# KiCad board latentpink.kicad_pcb (continued)
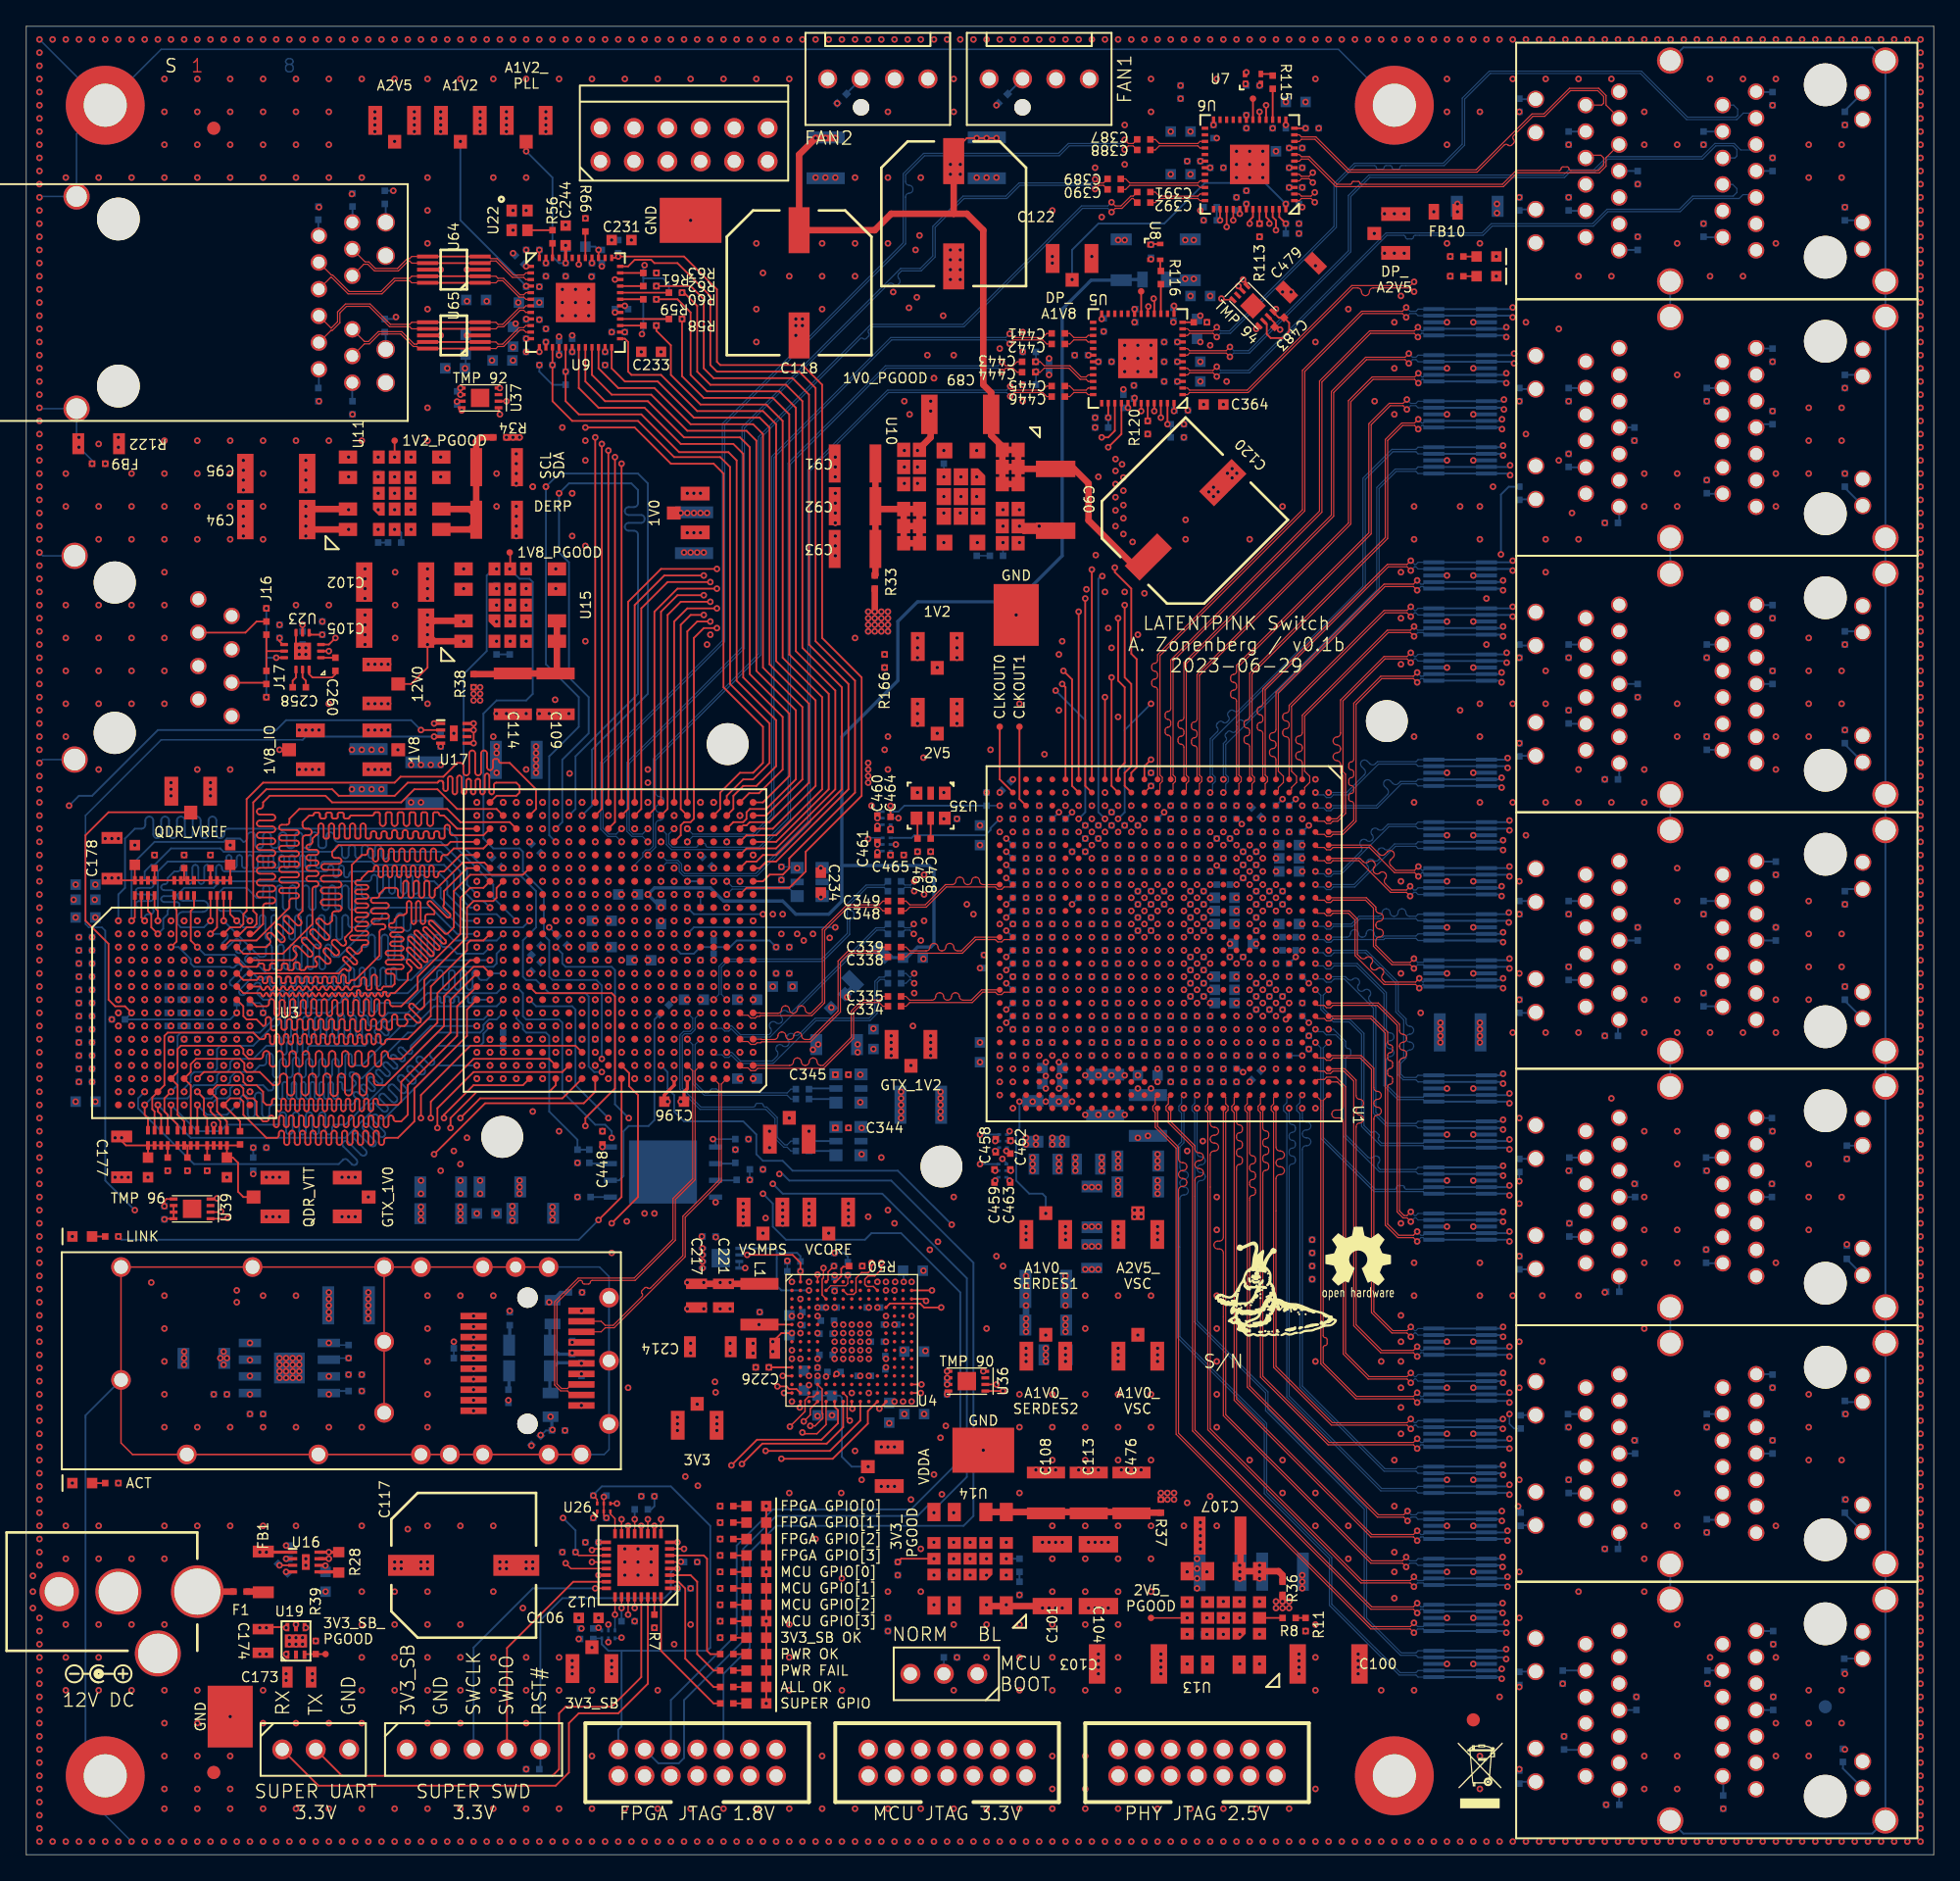
[diagram p0: board, top side]
## Routing (per net, layer and track width the routed paths; a pad name or vN(x,y) marks a point on that pad's centre or on a via; arc(x,y) is an arc through that point) (continued)
  In4.Cu w0.14: 88.25,121.25 90,123 92.25,123 ; 92.25,123 v1(92.25,124.75) ; 92.25,123 v1(93.75,123) ; v1(39.25,59) 39.25,57.75 42.2,54.8 ; 42.2,54.8 41.9,54.5 v1(41.9,52.6) ; 42.2,54.8 43.2,53.8 ; 68.75,89 72.5,89 78.5,95 78.5,103.5 81.25,106.25 v1(81.25,108.5) 81.75,109 81.75,110.75 81.9,110.9 ; 40.75,90 32.5,90 ; 32.5,90 31,90 29.75,88.75 ; 32.5,90 32.5,88.25 34,86.75 v1(34,86) v1(34,85.5) v1(34,84.5) ; 58,80 54.25,80 53.75,79.5 53.75,79.25 ; v1(87.75,134.5) 88.75,134.5 89.25,134 89.25,132 ; 38.47,109.28 38.47,111.11 35.7,113.88 35.7,123.7 v1(37,125) v1(38,125) 38.6,124.4 v1(42.5,124.4) 43,124.4 43,122.75 ; v1(80.75,114) 81.9,114 ; 43.2,53.8 46.5,50.5 46.5,30.7 v1(43.1,27.3) ; 43.2,53.8 v1(43.8,53.8) ; 17.4,59.6 19.5,57.5 31.75,57.5 33,58.75 33,60.25 33.25,60.5 34.75,60.5 ; 89.25,127.75 v1(89.25,128.75) 89.25,132 ; 89.25,127.75 v1(88.5,127.75) ; 89.25,127.75 v1(89.25,125) ; v1(92.25,124.75) 96,124.75 v1(96.75,124) ; v1(92.25,124.75) 89.5,124.75 v1(89.25,125) ; 43,122.75 v1(44.5,122.75) 45.25,123.5 52.75,123.5 53.72,124.47 77.72,124.47 78.68,123.5 85.57,123.5 86.53,124.47 88.72,124.47 v1(89.25,125) ; 43,122.75 v1(43,121) 43,120.5 43.75,119.75 44.25,119.75 ; 44.25,119.75 v1(44.75,119.75) ; 44.25,119.75 44.25,116.35 44.3,116.4 ; 44.3,116.4 46,116.4 v1(46.8,115.6) ; 44.3,116.4 44.15,116.4 43.5,115.75 43.5,115.25 43.25,115 ; 88,121.25 v1(84.25,117.5) 83.6,117.5 82.75,116.65 82.75,116.35 ; 89.25,132 89.25,132.25 89.75,132.75 92.25,132.75 v1(92.75,132.25) 92.69,132.31 v1(92.69,134.62) 92.75,134.69 v1(92.75,135.5) ; 71.3,58.95 71.3,67.5 69.8,69 61.3,69 ; v1(40.5,114) 40.5,114.8 ; v1(18.25,53.75) 18.5,53.75 19.5,54.75 ; v1(85.25,108) 83.75,109.5 v1(83.75,110)
  Bottom w0.115: U27.6 43.15,16.45 ; 73.91,53.75 v1(73.66,53.5) ; 73.9,51.49 v1(73.66,51.25) ; R40.1 v1(51.25,73) ; R41.1 v1(72.5,67.4)
  Bottom w0.14: 46.9,116.75 R67.1 46.9,115.7 v1(46.8,115.6) ; 46.9,116.75 R68.1 ; 46.9,116.75 R69.1 ; 45.25,15.5 44.25,15.5 43.75,16 U27.6 ; 45.25,15.5 51.75,15.5 52,15.75 52,25 49,28 43.75,28 43.1,27.35 ; 45.25,15.5 45.25,9.75 45,9.5 J9.2 ; U34.1 64.79,78.3 v1(64.7,78.21) ; v1(64.7,76.21) 64.79,76.3 U33.1 ; v1(43.8,53.8) 43.81,53.81 U28.8 ; R137.2 v1(89.25,125) ; R74.1 v1(52.25,70) ; C382.1 v1(92.25,124.75) ; R73.1 v1(44.5,122.75) ; U33.5 v1(66.1,76.8)
  vias: v1(5,68.75) v1(5,67.75) v1(5,66.75) v1(5,65.75) v1(5,64.75) v1(5,62.75) v1(5,61.75) v1(5,60.75) v1(5,59.75) v1(10,65) v1(10,63) v1(10,62) v1(14,66) v1(14,65) v1(14,63) v1(14,62)
/2V5: length 455.6
  Top w0.5: R36.1 v1(95.5,19.25)
  In4.Cu w0.115: v1(97.75,43.75) 98.25,43.75 98.75,44.25 98.75,46.75 ; v1(108,116.5) 108.8,117.3 v1(108.8,124.9) v1(108.8,125.5) ; 98.75,46.75 v1(97.75,46.75) ; 98.75,46.75 103.5,46.75 104.75,45.5 108,45.5 ; v1(73,80.75) v1(74,80.75) ; v1(73,80.75) 73,80.44 70.56,78 70,78 ; v1(73,80.75) 73,81.5 v1(69.25,85.25) ; 103,14.5 98.75,18.75 v1(96,18.75) ; 103,14.5 99,10.5 85.5,10.5 J3.2 ; 103,14.5 v1(108,14.5) ; 70,78 69.75,77.75 69.75,75.5 69.25,75 66.5,75 65.7,75.8 v1(65.7,76) ; 70,78 v1(65.7,78) ; v1(74.75,51.25) 75,51.25 75.25,51.5 75.25,53 74.75,53.5 v1(74.5,53.5) 74.65,53.5 75.5,54.35 75.5,54.56 77.69,56.75 78.75,56.75 79,57 79,58.54 79.6,59.15 79.6,60.85 78.5,61.96 78.5,71.81 79.5,72.81 v1(79.5,76.25) ; v1(95,62.75) 95.5,62.25 96.25,62.25 96.55,62.55 96.55,62.95 97,63.4 97,63.75
  In4.Cu w0.14: v1(93.5,76.25) v1(94,76.75) 94.5,76.75 ; v1(84.5,73.25) 83.75,73.25 83.5,73 83.5,71.5 83.75,71.25 v1(84.5,71.25) v1(85.5,71.25) ; v1(84.5,73.25) 84.5,77.75 ; v1(84.5,73.25) v1(85.5,73.25) v1(86.5,73.25) ; v1(82.5,78.25) 82.5,77.75 ; 82.5,77.75 84.5,77.75 ; 82.5,77.75 81.5,77.75 ; v1(108,14.5) v1(108,18) v1(108,21.5) v1(108,25) v1(108,32) v1(108,39) v1(108,47.75) v1(108,51.25) v1(108,54.75) 108,58 ; 96.56,71.31 96.56,69.44 96.75,69.25 97.25,69.25 97.5,69 97.5,67.25 96.56,66.31 96.56,65.19 v1(97,64.75) 97,63.75 97,63.5 ; 96.56,71.31 103.06,71.31 103.72,71.97 106.97,71.97 107.4,72.4 108,72.4 ; 96.56,71.31 96.56,74.19 v1(95,75.75) v1(95,76.75) 94.5,76.75 ; v1(81.5,78.25) 81.5,77.75 ; 81.5,77.75 v1(81.5,77.25) ; 81.5,77.75 79.5,77.75 ; 94.5,76.75 94.5,79 94.25,79.25 88.92,79.25 88.56,78.88 88.56,77.57 88.29,77.31 86.44,77.31 v1(86,77.75) 84.5,77.75 ; 108,58 108,62.5 ; 108,58 v1(108,58.25) ; v1(94,61.75) 94.5,61.75 ; 94.5,61.75 v1(95,61.75) v1(95,62.75) ; 94.5,61.75 94.44,61.69 94.44,58.69 93.75,58 90.99,58 87.24,54.25 85.75,54.25 84.75,53.25 v1(83,53.25) ; 108,72.4 108,62.5 ; 108,72.4 v1(108,77.5) v1(108,97.25) v1(108,106) v1(108,109.5) v1(108,113) v1(108,116.5) ; 84.5,77.75 v1(84.5,78.25) 84.5,81.25 v1(85.5,82.25) ; v1(107.5,63.25) 107.5,62.5 ; 107.5,62.5 108,62.5 ; 107.5,62.5 v1(107.5,61.75) ; v1(93.75,19.25) v1(96,19.25) v1(96,18.75) v1(95,18.75) v1(95,19.25) ; v1(97.5,62.25) 96.25,62.25 ; v1(74,80.75) v1(75,79.75) v1(76,78.75) v1(77,78.75) v1(77,77.75) 79.5,77.75 ; v1(108.8,125.5) 104.7,125.5 98,132.2 98,134.2 96.2,136 84,136 82.75,134.75 82.75,127 81.75,126 40.5,126 38.3,128.2 34.2,128.2 32.6,126.6 32.6,113.75 v1(33.35,113) ; v1(83,53.25) v1(83,50.25) ; v1(83,53.25) v1(83,52.25) ; 79.5,77.75 v1(79.5,76.25)
  Bottom w0.115: U32.6 74.55,53.55 v1(74.5,53.5) ; U31.6 v1(74.75,51.25)
  Bottom w0.14: U57.3 v1(108,35.5) ; U50.3 v1(108,74) ; U55.3 v1(108,70.5) ; v1(108,58.25) U41.3 ; v1(108,113) U43.3 ; U63.3 v1(108,90.25) ; v1(108,51.25) U45.3 ; U59.3 v1(108,93.75) ; U48.3 v1(108,25) ; FB6.1 33.4,113.05 ; v1(108,54.75) U42.3 ; v1(108,21.5) U49.3 ; v1(108,14.5) U52.3 ; U56.3 v1(108,39) ; U51.3 v1(108,77.5) ; v1(108,18) U53.3 ; U33.6 v1(65.7,76) ; U62.3 v1(108,82.25) ; U60.3 v1(108,28.5) ; U54.3 v1(108,67) ; v1(108,109.5) U47.3 ; U44.3 v1(108,47.75) ; U46.3 v1(108,106) ; U34.6 v1(65.7,78) ; U61.3 v1(108,32) ; v1(108,116.5) U40.3 ; U58.3 v1(108,97.25)
  vias: v1(78,77.75) v1(79,77.75) v1(80,77.75) v1(81,77.75) v1(82,77.75) v1(83,77.75) v1(83,52.75) v1(83,51.25) v1(83,50.75) v1(84,77.75) v1(85,77.75) v1(95.5,18.75) v1(107.5,62.75) v1(107.5,62.25)
/3V3: length 836.3
  Top w0.115: 94.79,117.29 v1(95,117.5) ; v1(33.1,109.8) U37.8
  Top w0.14: U37.7 32.76,110.5 v1(32.74,110.47) ; v1(70,35) 70.1,35.1 U36.8 ; v1(58.2,39.65) 57.4,39.65 v1(56.75,39) ; U23.5 v1(21,93.5) ; U38.8 95.21,116.85 C483.1 96,116.46 96,115.8 95.5,115.3 94.6,115.3 94.3,115.6 94.3,116.35 U38.6 ; v1(10.5,48.3) 10.55,48.35 U39.8 U39.6
  In3.Cu w0.09: v1(61.45,45.75) 61.78,45.42 61.78,44.38 v1(61.45,44.05) ; v1(57.4,75.1) 58.5,75.1 v1(58.6,75) 69.7,75 69.75,75.05 ; v1(61.5,59.3) 61.5,58.6 ; 61.5,58.6 62.9,58.6 63.4,59.1 v1(63.4,59.3) ; 61.5,58.6 61.5,56.5
  In3.Cu w0.1: 21.75,108.75 20,108.75 19.5,108.25 19.5,106.5
  In3.Cu w0.115: v1(60.15,40.95) v1(67.3,40.95) 71.75,40.95 ; v1(60.15,40.95) v1(58.85,40.95) ; v1(60.15,40.95) v1(60.15,39.65) v1(60.15,37.7) 59.5,37.05 v1(59.5,36.4) ; v1(60.15,40.95) v1(60.15,41.6) v1(60.8,41.6) ; v1(58.85,40.95) 57.65,42.15 57.65,43.9 57.85,44.1 v1(57.85,45.15) 57.3,44.6 v1(54.65,44.6) ; v1(58.85,40.95) 58.2,40.3 v1(58.2,39.65) ; v1(63.4,36.4) 63.4,37.05 ; 63.4,37.05 64.8,37.05 ; 63.4,37.05 61.5,37.05 v1(60.8,36.35) 60.15,35.7 v1(60.15,33.35) ; 31.5,133.5 40,133.5 40.75,132.75 40.75,128.75 42.5,127 ; v1(33.1,109.8) 32.7,109.8 32.62,109.88 ; J21.34 114,114.7 105.09,114.7 103.39,116.4 95.8,116.4 95.8,116.7 v1(95,117.5) ; v1(68.35,38.3) 67.65,39 v1(65.35,39) ; v1(65.35,39) 66,39.65 v1(66,40.3) v1(64.7,41.6) ; v1(65.35,39) 64.8,38.45 64.8,37.05 ; 19.65,33.75 24.75,33.75 30,39 v1(32.5,39) 32.5,35.25 33.6,34.15 39.95,34.15 42.5,31.6 45.4,31.6 48.3,34.5 50.75,34.5 v1(51,34.25) ; 26.25,133.5 25.5,132.75 25.5,128.25 26,127.75 29,127.75 29.75,127 29.75,113.46 v1(32.74,110.47) ; v1(47.25,65) 47.75,65.5 55.5,65.5 55.75,65.25 55.75,56.25 56.25,55.75 57,55.75 57.75,55 58.75,55 59.75,56 61.5,56 ; v1(47.25,65) 46.75,64.5 44.75,64.5 v1(44.25,64) ; v1(47.25,65) 47.75,64.5 47.75,62.5 v1(48.25,62) 47.75,61.5 45.75,61.5 v1(45.25,61) ; 4,55.25 5.75,57 5.75,71.65 5.6,71.8 4.8,71.8 4.6,72 4.6,77.1 5.75,78.25 18.5,78.25 ; J10.2 66.25,10.25 112.57,10.25 J4.32 ; v1(66.5,58) v1(66.5,56) ; 23.5,108.75 21.75,108.75 ; 64.8,37.05 v1(65.35,37.05) ; 61.5,56.5 66.75,56.5 v1(66.5,56.5) ; 17.45,35.95 v1(17,36.4)
  In3.Cu w0.14: 18.5,78.25 19.75,79.5 19.75,92.25 v1(21,93.5) 21,97 19.5,98.5 19.5,107 ; v1(61.45,44.05) 60.8,43.4 v1(60.8,41.6) ; 42.5,127 54.62,127 J23.6 J23.12 59.77,131.27 v1(61.65,133.15) 62.25,133.75 73,133.75 v1(73.75,133) ; v1(38.4,31.1) 37.4,31.1 36.85,31.65 36.85,34.15 ; 17.45,35.95 17.45,33.95 ; 17.45,33.95 v1(17,33.5) 14.1,33.5 13.1,34.5 13.1,46.2 11,48.3 v1(10.5,48.3) 10.1,48.3 9.8,48.6 9.8,49.5 9.05,50.25 5.25,50.25 4,51.5 4,55.25 ; 17.45,33.95 19.45,33.95 19.65,33.75 ; J21.34 116.2,112.5 116.2,110.6 114.75,109.15 J21.32 116.1,104.22 116.1,102.6 114.75,101.25 J20.34 116,93.2 116,87.33 J20.32 116.1,84.72 116.1,81.6 114.75,80.25 J19.34 116.2,73.5 116.2,68.03 J19.32 116,65.33 116,55.5 ; J18.34 115.96,55.46 116,55.5 ; 115.9,36 115.9,45.92 J18.32 116,48.33 116,55.5 ; 115.9,36 115.9,28.74 J8.32 116,26.32 116,17.72 J4.34 115.57,15.63 115.57,8.91 J4.32 119.82,3 123,3 124,4 132.25,4 135.34,7.09 J4.28 140.75,8.24 140.75,15.79 J4.30 139.6,22.85 140.75,24 140.75,25.44 J8.28 141,27.99 141,35.05 J8.30 139.6,42.61 141,44 141,44.69 J18.28 139.6,48.61 140.9,49.9 140.9,54.65 J18.30 139.6,61.61 140.9,62.9 140.9,64.3 J19.28 141.3,67.28 141.3,73.75 J19.30 139.6,81.2 140.9,82.5 140.9,83.8 J20.28 139.6,87.81 141.1,89.3 141.1,93.45 J20.30 139.6,100.7 141,102.1 141,103.19 J21.28 139.6,106.31 140.9,107.6 140.9,113.15 J21.30 ; 115.9,36 115.86,35.96 J8.34 ; 76.5,27.5 76.5,23.75 ; 76.5,27.5 v1(86.25,27.5) ; 76.5,27.5 76.5,28.5 71.75,33.25 71.75,35 ; 76.5,23.75 76.5,19.25 72.29,15.04 J15.1 72.29,11.54 71.75,11 71.75,10.25 ; 76.5,23.75 v1(74.5,23.75) ; v1(54.65,44.6) 54.65,44.71 v1(52.41,46.95) ; v1(70,35) 71.75,35 ; 71.75,35 71.75,43.5 66.75,48.5 66.75,57.25 69.75,60.25 v1(69.75,78.75) v1(69.75,80.75) ; 26.25,133.5 31.5,133.5 ; 23.5,108.75 31.5,108.75 32.75,110 32.74,110.01 v1(32.74,110.47) ; 61.5,56.5 v1(61.5,55.25) ; v1(56.75,39) 56.25,39.5 54.12,39.5 v1(53.5,38.88) v1(53.5,38.12) ; v1(56.75,39) 57.95,40.2 58.2,40.2 ; v1(56.75,39) v1(56.75,38.25) ; v1(86.25,27.5) v1(86.25,27) v1(87.25,27) v1(87.25,27.5) v1(86.25,27.5) ; v1(63.5,55.25) 63.5,56.5 ; v1(51,34.25) 51.21,34.04 56.96,34.04 57.65,33.35 v1(60.15,33.35)
  Bottom w0.09: v1(57.4,75.1) 58.53,75.1
  Bottom w0.115: U20.7 U20.8 v1(54.65,44.6) ; v1(57.85,45.15) 57.85,44.3 ; v1(32.5,39) R78.2 R79.2 ; R49.2 62.45,45.45 62.15,45.75 v1(61.45,45.75)
  Bottom w0.14: v1(21,93.5) C257.1 ; R3.2 v1(73.75,133)
  vias: v1(60.4,75) v1(65.35,40.95) v1(66.5,57.5) v1(66.5,57) v1(86.75,27.5) v1(86.75,27)
/3V3_SB: length 211.6
  Top w0.115: v1(43.1,25.6) 43.4,25.9 U26.1
  Top w0.14: U12.17 v1(43.5,23.75) ; U12.5 49.74,22.25 v1(49.76,22.28) ; 19.8,15.2 v1(19.75,15.25) ; U12.1 v1(49.5,20.25) ; U17.3 v1(31,85) ; U16.3 v1(19.25,22)
  In3.Cu w0.115: v1(43.5,17.25) 43.85,16.9 43.85,15.85 43.75,15.75 ; 43.1,24.35 42.1,24.35 v1(40.75,23) ; 43.1,24.35 43.1,24.15 v1(43.5,23.75) ; 43.1,24.35 v1(43.1,25.6) ; v1(42,18) 41.05,17.05 41.05,15.75 ; 23.4,20.35 23.25,20.5 19.5,20.5 19.25,20.75 v1(19.25,22) ; 23.4,20.35 23.4,18.65 22.75,18 ; 23.4,20.35 23.4,24.85 22.25,26 9.5,26 8.25,27.25 8.25,37.5 ; J13.1 28.92,11.92 32.75,15.75 41.05,15.75 ; 41.05,15.75 42.75,15.75 ; v1(65.5,17) 53.25,17 v1(52.75,16.5) ; 48.29,23.75 48.75,24.21 48.75,26.75 48.25,27.25 v1(47.75,27.25)
  In3.Cu w0.14: v1(65.5,17) 66.25,17.75 v1(66.25,21.25) ; v1(22,16.25) 22.75,16.25 ; 49.5,17 48.25,15.75 v1(43,15.75) ; 49.5,17 v1(49.5,20.25) 49.91,20.66 49.91,22.13 v1(49.76,22.28) 48.29,23.75 v1(43.5,23.75) ; 49.5,17 50,16.5 v1(52.75,16.5) ; 22.75,15.25 22.75,11.75 24,10.5 26.42,10.5 J13.1 ; 22.75,15.25 22.75,18 ; 22.75,15.25 v1(19.75,15.25) v1(19.75,13.25) ; 8.25,37.25 v1(8.25,49)
  Bottom w0.115: v1(43.5,17.25) 43.7,17.05 U27.1 ; 21,84.75 10.25,84.75 4.5,79 4.5,70.75 4.75,70.5 5.75,70.5 6,70.25
  Bottom w0.14: 21,84.75 21.25,85 v1(31,85) 31.25,85 C123.1 ; v1(47.75,27.25) 47.75,26.5 47.5,26.25 R16.2 ; v1(8.25,49) 6,51.25 6,70.25
  vias: v1(19.75,13.75)
/12V0: length 465.2
  Top w0.14: v1(30.5,92) 30.5,90.25 29.25,89 TP6.1 ; v1(73.75,130.5) 71.5,130.5 70.5,129.5
  Top w0.25: U16.8 v1(23,23) R28.2 ; U16.7 v1(23,22.5)
  Top w0.5: v1(24.5,100.75) 21.5,100.75 ; v1(61.5,130.5) v1(60,130.5) 58.75,129.25 C118.1 64.5,123.5 65.75,124.75 70.5,124.75 ; 70.5,124.75 71.5,124.75 72.75,123.5 72.75,111.75 73.35,111.15 C89.1 73.35,107.9 74.2,107.05 ; 70.5,124.75 C122.1 ; C105.1 30.94,93.8 U15.2 ; 84.24,97.95 80.75,101.44 80.75,104.25 79.65,105.35 C90.1 75.55,105.35 ; v1(30.5,92.75) 31,92.25 U15.1 ; U10.2 U10.5 ; U11.2 21.45,102.3 ; 73.1,18.9 C101.1 ; U10.6 U10.4 U10.1 U10.3 U10.6
  In4.Cu w0.1: 19.5,101.25 19.5,99.75 19.25,99.5 17.75,99.5
  In4.Cu w0.115: J11.2 78.27,132.87 77.1,131.7 73.8,131.7 ; v1(33.25,93.75) v1(33.25,92.25) 33,92 v1(30.5,92) v1(30.5,97.75) 29.75,97.75 28,99.5 25.75,99.5 v1(24.5,100.75) ; 22.33,26.93 12.27,26.93 10.02,29.18 10.02,39.22 ; 3,75.4 3,76.1 11.4,84.5 11.4,107.65 12,108.25 23,108.25 23.25,108 28.75,108 30,109.25 30,132.75 31.25,134 57.9,134 60.2,131.7 64.1,131.7 ; v1(73.75,130.5) 73.75,131.65 73.8,131.7 ; 73.8,131.7 64.1,131.7 ; J12.2 66,133.6 64.1,131.7
  In4.Cu w0.14: v1(21.25,106) v1(21.25,100.25) ; 78.75,11.5 78.75,9.75 78.85,9.65 39.5,9.65 37.65,11.5 29.75,11.5 24.75,16.5 24.75,20.75 v1(23,22.5) ; 78.75,11.5 v1(78.75,18.75) ; 78.75,11.5 86.25,11.5 ; v1(23,22.5) v1(23,23) 23,26.25 22.33,26.93 ; v1(23,22.5) 25.25,22.5 25.5,22.25 v1(30.5,22.25) v1(30.5,21.75) v1(28,21.75) ; v1(78.75,18.75) 78.75,21.75 v1(80.75,23.75) v1(82.25,23.75) ; v1(78.75,18.75) v1(77.25,18.75) ; 60.8,131.7 60.75,131.65 v1(60.75,130.5) ; v1(70.25,128.5) v1(70.25,127.75) v1(71,127.75) v1(71,128.5) v1(70.25,128.5) ; v1(70.25,128.5) 70.25,131.65 70.2,131.7 ; 11.4,102.35 11.5,102.25 12,102.25 14.75,99.5 17.75,99.5 ; 86.25,11.5 90,11.5 92.25,13.75 v1(92.25,14.5) v1(93.75,14.5) 94,14.25 v1(96.75,14.25) ; 86.25,11.5 v1(86.25,15.25) ; v1(96.75,15.25) v1(96.75,13.75) ; v1(24.5,100.75) v1(24.5,102.25) 20.5,102.25 19.5,101.25 ; 3,75.4 3,46.25 10.02,39.22 ; v1(72.25,130.5) v1(73.75,130.5)
  vias: v1(21.25,105.25) v1(21.25,104.5) v1(21.25,103.75) v1(21.25,102.5) v1(21.25,101.75) v1(21.25,101) v1(28,22.25) v1(28.5,22.25) v1(28.5,21.75) v1(30,22.25) v1(30,21.75) v1(30.5,97) v1(30.5,96.25) v1(30.5,95.5) v1(30.5,94.25) v1(30.5,93.5) v1(73,130.5) v1(73,19) v1(74.5,19) v1(77.75,18.75) v1(78.25,18.75) v1(81.25,23.75) v1(81.75,23.75) v1(86.25,14.75) v1(86.25,14.25) v1(86.25,13.75) v1(96.75,14.75)
/GND: length 2929.2
  Top w0.115: v1(90.85,118.3) 90.94,118.21 U38.4 ; 95.1,116.15 v1(95.31,115.94) ; v1(44.1,25.6) 43.9,25.8 U26.2 U26.5 v1(43.9,27.2) ; 93.71,116.21 v1(93.5,116)
  Top w0.14: U38.7 94.9,116.46 C483.2 ; U39.5 10.65,49.85 10.5,49.7 v1(10.5,49.3) ; v1(33,111.5) v1(33,111) ; U39.4 14.45,49.85 v1(14.5,49.9) ; U64.8 v1(31.5,120.5) ; U16.4 v1(19.75,21.5) ; v1(56.25,11.5) D2.1 v1(56.25,17.75) v1(56.25,21.5) D15.1 v1(56.25,26.5) ; U65.8 v1(31.5,115.5) ; U9.29 v1(44.75,117.25) ; C464.2 v1(65.7,79.74) ; U23.6 20.5,92 ; U9.13 v1(39,114.25)
  Top w0.25: C196.2 48.5,57.75 49.25,58.5 v1(49.25,59)
  Top w0.5: C90.2 75.85,100.65 v1(75.5,101) ; U10.24 77.9,101 ; 67.9,106.9 68.75,107.75 v1(68.75,110.5)
  In1.Cu w0.081: v1(97,126.75) v1(97,129.75) ; v1(93,127.5) 93,126.75 v1(92.75,126.5) ; v1(91,128.25) 91.75,128.25 v1(92,128.5)
  In1.Cu w0.09: v1(63.4,57.2) 62.5,58.1 v1(62.5,59.3) ; 54.75,74.45 55.95,74.45 56.3,74.1 v1(57.4,74.1) ; v1(55.25,76) 54.8,76 54.75,76.05 ; v1(60.4,72.8) 64.4,76.8 v1(64.7,76.8) ; 67.95,57.2 73.45,57.2 v1(74,57.75)
  In1.Cu w0.115: v1(44.25,17.5) 44,17.5 v1(43.5,18) ; v1(26,82.5) v1(27.5,82.5) ; v1(27.5,82.5) 27.5,81.75 28.25,81 ; v1(27.5,82.5) v1(27.5,85.5) ; 74.5,65.25 v1(74.5,66.25) ; v1(66.65,38.35) 66.9,38.6 66.9,42.55 66.95,42.6 ; v1(31.5,131) v1(31.5,132.5) v1(34.5,132.5) v1(34.5,131) ; v1(77.75,112.5) v1(77.75,113.75) 79.25,113.75 79.5,114 v1(79.7,114) 79.7,114.1 80.5,114.9 81.8,114.9 81.9,115 v1(81.9,115.8) 82.45,115.8 v1(83.5,114.75) ; v1(84.5,114.75) v1(84.5,112.75) ; v1(83.5,114.75) v1(85.5,114.75) ; v1(83.5,114.75) v1(83.5,112.75) 84.15,112.75 ; v1(85.5,114.75) 85.5,113.3 ; v1(85.5,114.75) 85.88,115.12 ; 110,12.75 102.75,12.75 97,7 94,7 J3.11 J3.3 83.75,4.75 75.25,4.75 J10.11 J10.3 64.5,4.5 56.5,4.5 J9.11 J9.3 ; v1(64.05,40.3) v1(64.05,41.6) 64.72,42.28 ; v1(64.05,40.3) v1(61.45,40.3) ; v1(64.05,40.3) v1(64.05,37.7) ; 66.8,42.6 66.95,42.6 ; 66.95,42.6 67.05,42.7 67.05,43.1 67.3,43.35 v1(67.3,43.55) C205.2 v1(68.2,44.4) ; v1(43.8,55) 41.25,55 v1(37.5,51.25) v1(37.5,50.25) 37,49.75 34.75,49.75 34.25,49.25 v1(34.25,48.75) 33,50 v1(33,51.25) v1(33,50.25) ; v1(79.5,72.25) 78,72.25 ; v1(42.96,119.96) 42.96,119.21 v1(42.75,119) v1(42.75,117) v1(40.75,117) ; v1(20.25,36.25) v1(20.25,37.75) ; v1(11,67) v1(13,67) ; v1(27.5,85.5) 28.25,85.5 29.5,84.25 v1(31.5,84.25) ; v1(27.5,85.5) v1(26,85.5) ; 61.6,37.05 61.6,37.55 v1(61.45,37.7) ; 61.6,37.05 v1(61.6,36.55) 61.25,36.2 v1(61.25,33.4) ; 61.6,37.05 v1(60.15,37.05) 59.5,37.05 ; v1(7,107) v1(7,107.75) ; v1(7,107) 6,106 v1(6,105.75) ; v1(7,107) 15.5,107 v1(16.5,106) ; v1(63.4,57.2) 63.45,57.2 65.75,59.5 67,59.5 67.95,58.55 67.95,57.2 ; v1(90.85,118.3) 90.2,118.3 v1(90,118.5) 90,117.75 v1(89.25,117) ; 39.55,119.2 39.5,119.25 v1(39.5,120) ; 39.55,119.2 40.55,119.2 v1(40.75,119) v1(40.75,117) ; 39.55,119.2 v1(39,119.2) ; 88.62,109.62 88.47,109.62 v1(88.3,109.8) 88.3,109.05 v1(88,108.75) ; 88.62,109.62 90.25,108 ; 88.62,109.62 86.62,111.62 ; v1(35.75,96.25) v1(35.75,93.75) ; v1(35.75,93.75) v1(35.75,92.25) ; v1(35.75,93.75) v1(38,93.75) 38,99.5 v1(37.25,100.25) ; 3.75,72.05 3.8,72 6,72 6,64 ; 3.75,72.05 3.75,72.5 ; 3.75,72.05 v1(3.75,71.25) 4,71 v1(4,58.75) 3.75,58.5 v1(3.75,57.25) ; 3.75,72.05 3.75,72.45 v1(3.6,72.6) 3.6,73.6 v1(3.75,73.75) 3.75,75.75 4.25,76.25 5,76.25 ; v1(23,38.91) 22.91,39 22,39 v1(20.75,37.75) ; v1(38,97.75) v1(40.25,97.75) v1(40.25,96.25) v1(33.25,96.25) v1(33.25,97.75) ; 35.75,63.75 35.75,60.5 ; 35.75,63.75 35.75,63.5 v1(36.25,63) ; 35.75,63.75 35.75,66 ; 35.75,60.5 35.75,59.75 35.5,59.5 34.75,59.5 v1(34.25,59) ; 35.75,60.5 36.75,60.5 v1(37.25,60) ; v1(83.5,113.75) 83.25,113.5 v1(82.5,113.5) ; 7,23.75 7,25.25 ; v1(85.5,112.75) 86.62,111.62 ; v1(85.5,112.75) 84.15,112.75 ; v1(85.5,112.75) 85.5,113.3 ; 86.62,111.62 86.5,111.75 v1(86.5,112) ; v1(14,59) v1(14,60) v1(10,60) v1(10,59) ; v1(61.45,40.3) v1(58.85,40.3) 58.45,40.7 58.45,41.35 58.5,41.4 ; v1(61.45,40.3) v1(61.45,37.7) ; v1(61.45,40.3) v1(61.45,41.6) ; v1(103.25,124.75) v1(104.75,124.75) ; v1(20.75,37.75) v1(20.75,36.25) ; v1(20.75,37.75) v1(19.25,37.75) v1(19.25,36.25) ; v1(111.8,125.5) v1(111.8,124.8) 111.75,124.75 v1(111.75,121.5) ; v1(89.25,117) v1(89.75,116.5) 89.25,116 87.2,116 ; v1(89.25,117) 90.8,117 91.8,116 v1(93.5,116) 95.25,116 v1(95.31,115.94) ; v1(86.5,113.5) 85.7,113.5 85.5,113.3 ; 69.75,104.25 v1(69.75,102) v1(72.25,102) ; 69.75,104.25 v1(67.75,104.25) ; 69.75,104.25 v1(69.75,104.75) v1(72.25,104.75) v1(72.25,102) ; v1(61.5,100.25) 61.25,100.5 53.25,100.5 ; v1(48.75,57.25) 48.75,58.5 v1(49.25,59) ; v1(88.25,19.25) v1(92.25,19.25) ; v1(89.25,112) v1(91,110.25) 91,108.75 90.25,108 ; 65.15,80.75 62.95,80.75 60.7,78.5 ; 65.15,80.75 65.2,80.7 65.2,78.2 ; 65.15,80.75 v1(67.75,80.75) v1(67.75,87.5) ; v1(104.75,121.75) v1(103.25,121.75) ; 16.75,82.5 v1(20.75,82.5) v1(22.25,82.5) v1(22.25,85.5) v1(20.75,85.5) ; 53.25,100.5 53.25,102.25 52,103.5 v1(51.25,103.5) v1(50.25,103.5) ; 53.25,100.5 v1(51.25,100.5) ; 65.2,78.2 65.2,77.3 v1(64.7,76.8) 65.46,76.8 66.26,76 v1(66.7,76) ; 65.2,78.2 65.2,78.3 v1(64.7,78.8) ; v1(62.1,40.3) v1(62.1,37.7) ; v1(40.75,117) 40.75,115.66 v1(40.5,115.41) ; v1(24.75,81) 28.25,81 ; 28.25,81 v1(29.25,80) v1(30,80) ; 42,14.25 42.2,14.45 v1(42.2,17.2) ; v1(67.75,104.25) v1(66.75,104.25) v1(66.75,106.75) ; v1(67.75,104.25) v1(67.75,106.75) ; v1(26,90.5) v1(27.5,90.5) v1(27.5,87.5) v1(26,87.5) ; v1(81.5,104.75) 80.5,105.75 80.5,108.5 v1(81.25,109.25) ; v1(61.45,37.7) v1(64.05,37.7) ; v1(64.05,37.7) v1(64.05,36.4) 65.35,36.4 v1(67.3,34.45) v1(68.25,33.5) ; v1(64.05,37.7) v1(65.35,37.7) ; v1(72.25,102) 74,102 v1(74.25,102.25) v1(75.5,102.25) v1(75.5,99.75) ; v1(58.2,40.95) 58.5,41.25 58.5,41.4 ; 35.75,73.5 v1(36.25,73) ; 35.75,73.5 35.75,66 ; 35.75,73.5 35.75,75.5 v1(35.25,76) 35,76 34.75,76.25 34.75,78.5 v1(34.25,79) ; v1(83.4,111.4) 83.9,111.4 v1(84.2,111.7) 84.2,112.7 84.15,112.75 ; v1(90.25,103.96) v1(90.6,103.6) ; 68.75,108.25 68.75,108 62,108 61.5,107.5 v1(61.5,106.25) v1(61.5,98.75) ; v1(51.25,59) U2.B4 ; v1(15.5,76.75) 15.5,77.75 16.75,79 ; 62.5,54.5 60.5,54.5 60,55 v1(59.5,55) v1(56.5,55) v1(56.5,53.75) ; v1(51.4,44.6) v1(51.4,46.1) 51.95,46.1 52,46.15 ; v1(69.75,103.25) v1(72.25,103.25) ; v1(51.25,100.5) v1(50.25,100.5) ; v1(51.25,100.5) 51,100.25 v1(51,99) ; v1(61.2,64.4) 59.6,66 v1(58.25,66) 58.25,65.25 58,65 v1(55.25,65) ; 59.1,36.75 58.8,36.75 58.55,36.5 58.55,34.8 v1(58.2,34.45) ; 59.1,36.75 59.1,36.1 v1(59.5,35.7) ; 59.1,36.75 59.4,37.05 59.5,37.05 ; v1(12,68) v1(12,60) ; v1(68.2,68.1) 72.2,68.1 72.4,67.9 74.15,67.9 v1(74.5,68.25) ; 58.5,41.4 58.5,42.6 ; v1(69.5,58) v1(69.5,56) ; v1(14,68) v1(10,68) v1(10,69) ; v1(14,68) 14.5,67.5 15.25,67.5 15.5,67.25 15.5,65.5 ; v1(14,68) v1(14,69) ; v1(44.5,14.75) 44.25,15 v1(44.25,16.16) ; v1(83,122.75) 84.05,122.75 v1(85.5,121.3) ; v1(39.5,131) v1(39.5,132.5) v1(36.5,132.5) v1(36.5,131) ; 44.05,24.25 44.1,24.3 v1(44.1,25.6) 44.1,27 v1(43.9,27.2) ; 85.88,115.12 86,115 v1(86.5,115) ; 85.88,115.12 86.75,116 87.2,116 ; v1(74.84,54.25) 74.9,54.19 74.9,52.06 v1(74.84,52) v1(73.66,52) ; v1(74.84,54.25) 75.22,54.63 75.22,56.53 v1(75,56.75) ; v1(74.84,54.25) v1(73.66,54.25) ; v1(10.5,49.3) 10.5,51.25 10.25,51.5 ; v1(89.9,103.6) v1(90.25,103.25) v1(92.02,105.02) ; C269.2 90.44,74.75 90.5,74.81 v1(90.5,75.2) ; v1(25.75,92) 25.75,99.75 v1(26.75,100.75) ; 87.2,116 C377.2 ; v1(97.5,63.25) v1(97.5,66.25) ; v1(58.85,37.7) 59.5,37.05 ; v1(63.4,40.3) v1(63.4,37.7) ; v1(6.75,51.5) 3.5,48.25 v1(3.5,47) ; 41,32.6 40.95,32.55 v1(40.95,32.25) ; 35.75,66 v1(35.25,66) ; v1(122.5,127) 120.25,127 119.25,126 v1(117.25,126) ; 58.5,42.6 v1(58.85,42.25) ; 58.5,42.6 58.5,43.25 v1(58.2,43.55) ; v1(13,61) v1(11,61) ; v1(104,121.75) v1(104,124.75) ; v1(25,48.5) v1(19.25,48.5) ; v1(51,22.25) 56.25,22.25 ; v1(88.25,21.5) v1(89.75,21.5) v1(89.75,14.5) v1(88.25,14.5) ; v1(92.02,105.02) 92.54,104.5 110,104.5 ; v1(92.02,105.02) v1(91.66,105.37) 91.66,106.59 90.25,108 ; v1(38,95) v1(35.75,95) ; 70.75,81.75 v1(70.75,87.5) 75.25,92 v1(75.25,94.25) ; 110,99.5 110,98.75 109.98,98.77 ; v1(127.5,65.5) 127.5,63.8 127.83,63.47 J19.1 ; 39.47,116.72 39.45,116.7 v1(39,116.7) ; v1(25,51.5) v1(19.25,51.5) ; v1(51.5,99) v1(50,99) ; v1(38,114.25) v1(39,114.25) ; v1(79,37.5) v1(86,37.5) v1(86,38.5) ; v1(41.5,103.5) 41.5,102.75 41.25,102.5 38.75,102.5 38.5,102.75 v1(38.5,104) 38.25,104.25 v1(37.25,104.25) ; v1(37.25,70) 36.75,69.5 34.75,69.5 v1(34.25,69) ; v1(91.31,105.02) v1(91.66,104.66) ; v1(46.25,73) v1(47.25,72) ; v1(88.75,122.75) v1(88.1,122.75) 86.95,122.75 86.72,122.53 ; v1(62.75,37.7) v1(62.75,40.3) ; v1(79,44) 79.5,44.5 v1(81.5,44.5) ; v1(83,38.5) v1(83,37.5) ; v1(19.75,37.75) v1(19.75,36.25) ; v1(93.75,16.75) v1(89.75,16.75) ; v1(89.75,18) v1(92.25,18)